# KiCad board Lime_RFE.kicad_pcb (continued)
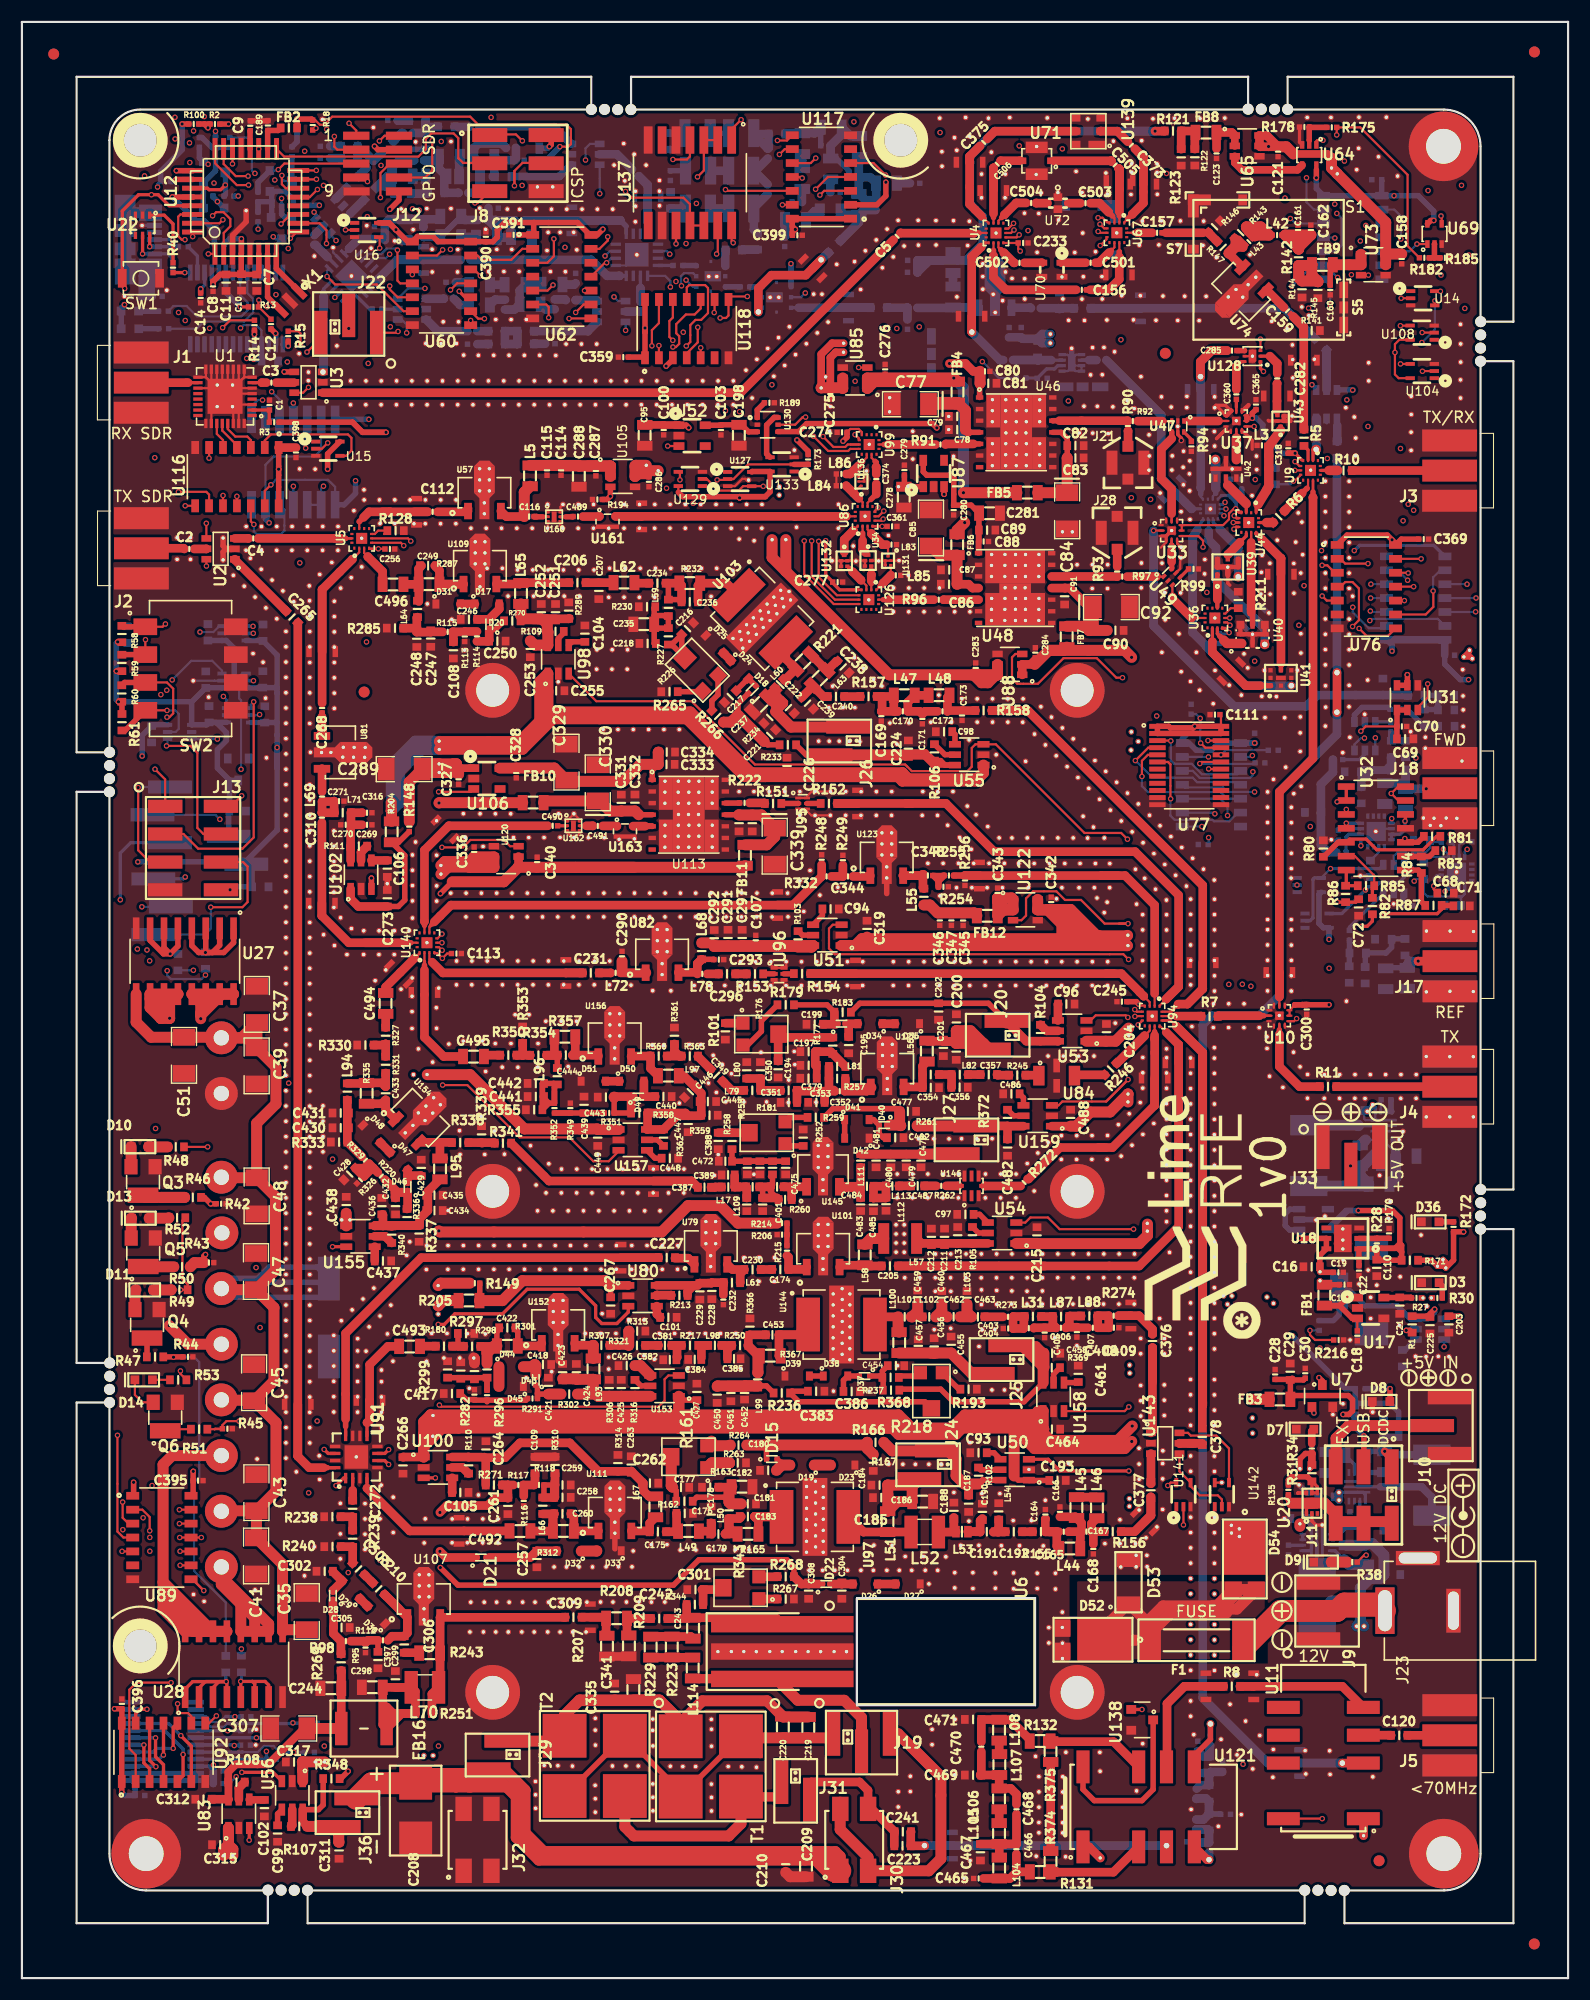
[diagram p0: board, top side]
## Routing (per net, layer and track width the routed paths; a pad name or vN(x,y) marks a point on that pad's centre or on a via; arc(x,y) is an arc through that point) (continued)
Net-(C4-Pad2): length 1.2
  T w0.79: U2.3 C4.2
Net-(C5-Pad1): length 7.9
  T w0.2: 86.9,159.25 86.89,159.25 ; U4.13 87.35,159.25
  T w0.5: 87.35,159.25 86.9,159.25
  T w0.79: 86.88,159.24 86.9,159.25 86.88,159.24 ; 86.88,159.24 80.21,159.24 C5.1
Net-(C5-Pad2): length 57.9
  T w0.79: C5.2 65.58,144.67 U3.1
Net-(C6-Pad1): length 2
  T w0.3: 117.82,138.54 117.82,139.45 117.82,139.46
  T w0.86: TRANS_VIA#4.1 118.1,139.48
  B w0.5: 118.14,140.18 118.14,139.51
  B w0.86: 118.14,139.91 118.14,139.51
Net-(C6-Pad2): length 2.2
  B w0.5: 118.14,141.08 118.14,142.33
  B w0.86: 118.14,141.36 118.14,142.33
Net-(C9-Pad2): length 1.7
  T w0.5: C9.2 20.82,168.57 U12.20
Net-(C12-Pad2): length 1.6
  T w0.5: v1(23.15,150.08) 22.75,150.48 C12.2
  B w0.5: v1(23.15,150.08) 23.16,150.07 U13.2
Net-(C14-Pad1): length 2
  T w0.5: v1(16.31,154.14) C14.1
  B w0.3: v1(16.31,154.14) 16.66,154.5 U13.17
Net-(C17-Pad1): length 1
  B w0.3: C17.1 122.1,42.55 U19.9
Net-(C18-Pad1): length 8
  T w0.2: U17.3 121.86,60.18 C18.1
  T w0.5: 120.23,61.37 120.97,62.1 U17.1 ; 120.23,61.37 FB1.2 120.23,61.37 ; 120.23,61.37 121.4,60.2 U17.3
Net-(C21-Pad2): length 5.1
  T w0.2: C21.2 125.72,62.1 U17.5
  T w0.5: U17.5 126.77,62.1 R27.2 126.76,62.12 C21.2
Net-(C24-Pad1): length 1.3
  B w0.3: C24.1 115.6,39.5 U21.9
Net-(C26-Pad2): length 17.4
  B w0.3: U21.6 119.48,39.5 R32.2 ; 122.55,39.5 R36.2
  B w1: C26.2 124.28,38.6 123.23,39.65 R36.2 122.55,39.5 R32.2 ; C26.2 123.94,36.47 ; C26.2 123.94,36.47 ; 123.94,36.47 123.02,36.47 122.14,35.6 R37.2 119.52,34.42 118.2,33.1 L2.1
Net-(C31-Pad1): length 21.4
  B w0.5: 12,155.96 11.79,156.17 ; 11.95,155.96 CON1.6 ; CON1.6 10.88,155.33 C31.1 ; CON1.6 11.89,156.02 R41.1
  B w0.7: CON1.6 11.32,155.77 11.32,154.03 R41.1 10.89,153.46 C31.1
  B w1: 11.79,161.1 9.94,161.1 9.49,161.55 9.49,155.73 9.94,156.17 11.79,156.17
Net-(C52-Pad1): length 5.8
  B w0.5: R67.1 125.02,94.83 R70.1 124.99,94.05 124.49,93.55 R73.2 122.58,93.48 C52.1
Net-(C53-Pad1): length 5.2
  B w0.5: 127.96,115.78 128.01,115.73 ; 129.21,117.04 R71.1 129.19,117.06 R68.2 127.98,117.05 R74.2 129.18,115.76 C53.1 129.21,117.04
Net-(C54-Pad1): length 7.7
  B w0.7: 123.23,110.24 122.22,109.23 C54.1 122.22,110.08 R72.1 122.36,110.24 123.23,110.24 ; 123.23,110.24 R69.1
  B w0.79: R75.2 124.95,111.39 R69.1 124.71,110.47 ; C54.1 122.22,108.8
Net-(C55-Pad1): length 2.4
  B w0.5: C58.1 121.15,94.7 R73.1 121.13,93.53 C55.1
Net-(C56-Pad1): length 4.1
  B w0.5: C56.1 129.21,114.26 R74.1 127.92,114.26 126.4,115.78 C59.1
Net-(C57-Pad1): length 2.1
  B w0.5: C57.1 R75.1 124.92,112.96 C60.1
Net-(C58-Pad2): length 4.7
  B w0.3: C58.2 121.14,95.9 U30.3
Net-(C59-Pad2): length 4.2
  B w0.5: C59.2 124.68,115.96 122.29,115.96 121.6,115.27 U29.1
Net-(C60-Pad2): length 1.4
  B w0.3: C60.2 124.89,114.63 U29.3
Net-(C61-Pad1): length 2.6
  B w0.3: U29.5 122.55,111.69 122.05,111.2 C61.1
Net-(C61-Pad2): length 9.9
  B w0.79: C63.1 119.21,102.74 118.53,103.42 118.53,108.93 119.64,110.04 C61.2
Net-(C62-Pad1): length 1.9
  B w0.2: U30.5 125.19,102.4 125.53,102.74 C62.1
Net-(C62-Pad2): length 3.5
  B w0.2: 129.49,103.63 C65.1 128.64,103.67 R77.1 128.49,103.12 128.12,102.74 C62.2
Net-(C63-Pad2): length 2.8
  B w0.3: IC1.2 121.1,104.39 120.83,104.12 C63.2
Net-(C64-Pad2): length 2.1
  B w0.3: IC1.3 122.18,104.89 120.09,104.89
Net-(C65-Pad2): length 1.5
  B w0.2: C65.2 130.66,103.43 IC2.2
Net-(C66-Pad2): length 1.5
  B w0.2: C66.2 131.16,103.43 IC2.3
Net-(C67-Pad2): length 1.6
  B w0.2: C67.2 123.83,102.75 IC1.14
Net-(C68-Pad2): length 2.5
  T w0.2: 129.04,99.14 C68.2 128.84,99.35 v1(128.84,99.65)
  B w0.2: v1(128.84,99.65) 128.84,100.38 129.12,100.66 IC2.14
Net-(C73-Pad2): length 1.4
  B w0.3: 97.38,147.65 U45.2
  B w0.79: C73.2 97.38,147.65
Net-(C76-Pad1): length 4.8
  B w0.3: U45.7 93.93,147.65 ; 92.74,147.65 92.69,147.7 92.74,147.65
  B w0.79: 92.69,147.7 92.65,147.66 C76.1 ; 92.69,147.7 92.74,147.65 ; 92.69,147.7 92.74,147.65 ; 92.69,147.7 92.74,147.65 ; 92.74,147.65 93.93,147.65
Net-(C77-Pad1): length 11.7
  T w0.5: C78.1 86.35,141.06 U46.4
  T w0.79: 86.35,141.06 C78.1 C79.1
  T w1: 86.1,143.05 FB4.1 ; 86.1,143.05 C79.1 ; 86.1,143.05 C78.1 ; FB4.1 82.89,143.79 C77.1 85.2,143.63 FB4.1
Net-(C82-Pad1): length 9.2
  T w0.5: U46.11 94.84,141.06 95.39,140.5 C82.1 95.39,138.72 C83.1
  T w1: 95.39,138.72 C83.1 95.39,135.55 C84.1 FB5.1
Net-(C85-Pad1): length 8.8
  T w0.79: C87.1 85.36,128.49 C86.1 86.39,127.2 86.74,126.85 U48.4
  T w1: C86.1 85.34,127.22 FB6.1 83.79,129.85 C85.1
Net-(C90-Pad1): length 18.3
  T w0.6: 95.2,126.85 95.2,126.85
  T w0.79: 95.2,126.85 95.2,126.85 U48.11 ; C91.1 95.63,126.85 97.37,125.11 97.37,122.93
  T w1: 97.39,122.98 97.31,123.07 97.37,123.12 ; 97.39,122.98 97.77,123.36 C92.1 97.37,124.71 97.37,123.12 ; 97.39,122.98 C90.1 ; 97.37,123.12 97.13,123.36 FB7.1 ; 97.37,123.12 97.37,125.05 ; 97.37,124.77 97.37,123.21
Net-(C93-Pad1): length 1.5
  T w0.5: U50.4 88.7,47.94 C93.1
Net-(C94-Pad1): length 1.8
  T w0.5: C94.1 73.05,96.97 U51.4
Net-(C96-Pad1): length 1.5
  T w0.79: C96.1 94.55,88.87 U53.4
Net-(C97-Pad1): length 1.6
  T w0.5: U54.4 87.4,69.69 C97.1
Net-(C98-Pad1): length 1.3
  T w0.5: C98.1 85.15,113.5 U55.4
Net-(C99-Pad1): length 1.6
  T w0.5: U56.4 23.33,14.98 C99.1
Net-(C101-Pad1): length 1.2
  T w0.79: U80.4 57.94,60.6 C101.1
Net-(C102-Pad1): length 1.4
  T w0.7: U83.4 20.79,16.26 C102.1
Net-(C103-Pad1): length 5
  T w0.5: U130.3 66.31,141.1 65.67,141.74 63.82,141.74 63.78,141.71 U52.5
Net-(C104-Pad1): length 1.7
  T w0.5: U98.4 50.2,121.94 51.5,121.94
Net-(C105-Pad1): length 1.3
  T w0.79: C105.1 39.26,44.32 U100.4
Net-(C106-Pad1): length 1.4
  T w0.79: U102.4 C106.1
Net-(C107-Pad1): length 23.4
  T w0.79: 62.85,94.47 63,94.31 65.73,94.31 65.78,94.26 C107.1 ; 70.82,94.08 72.06,94.08
  T w1: 70.82,94.08 72.06,94.08 U51.6 ; 63.26,94.22 C292.1 72.12,94.14 U51.6 ; U51.6 65.69,94.22 ; L68.1 62.85,94.47
Net-(C108-Pad1): length 3.2
  T w0.79: R114.1 40.43,122.89 40.39,122.85 R115.2 39.38,122.85 C108.1
Net-(C109-Pad1): length 3.1
  T w0.79: C109.1 46.82,45.08 R118.2 R117.1 45.8,44.95 R116.2
Net-(C110-Pad1): length 25.9
  T w0.5: R28.2 123.6,66.55 U18.1 122.01,66.53 C22.1 ; R28.2 124.09,66.6 ; R28.2 C110.1 123.69,65.51 R171.2 125.91,66.26 ; 125.74,67.03 125.74,69.37 125.07,70.04 v1(121.96,70.04) ; 125.74,67.03 125.31,66.6 124.09,66.6 ; 125.74,67.03 125.91,66.87 125.91,66.26 ; 124.09,66.6 125.57,66.6 125.91,66.26
  B w0.5: 120.83,70.04 119.17,68.39 U112.5 119.23,68.27 121.01,70.04 v1(121.96,70.04) 120.83,70.04
Net-(C112-Pad2): length 2.8
  T w0.79: U57.1 40.64,133.81 C112.2 ; 40.7,134.11 40.71,134.1
Net-(C114-Pad1): length 17.3
  T w0.5: L5.1 46.39,138.03 48.34,138.03 ; C114.1 49.24,137.99
  T w1: 48.34,138.03 48.33,138.04 L5.1 ; U105.1 53.68,138 51.7,138 ; U105.1 50.85,137.98 C288.1 ; U105.1 U105.2 ; C288.1 50.79,138.04 C115.1 C114.1 49.24,137.99 C288.1 ; C288.1 52.37,137.99 C287.1
Net-(C116-Pad1): length 5.3
  T w0.79: U57.3 44.21,133.37 C116.1
  T w1: L5.2 45.84,135.6 C116.1
Net-(C117-Pad2): length 4.8
  B w0.79: TRANS_VIA#8.1 27.53,146.62 C117.2
Net-(C118-Pad1): length 11.2
  B w0.3: 32.52,155.04 U58.9
  B w0.79: 32.52,155.04 32.52,155.06 34.26,156.8 34.29,156.8 ; 34.29,156.8 C118.1 ; 34.29,156.8 36.65,156.8 P79.2
Net-(C118-Pad2): length 14.8
  B w0.3: U59.4 54.54,155.34
  B w0.79: 54.54,155.34 54.54,155.35 53.39,155.35 51.93,156.8 C118.2
Net-(C119-Pad1): length 1.2
  B w0.5: U61.6 61.5,156.29 C119.1
Net-(C119-Pad2): length 1.4
  B w0.3: C119.2 59.42,156.29 U59.16
Net-(C120-Pad1): length 6.3
  T w0.79: J5.1 130.23,22.22 J5.1 ; J5.1 C120.1 ; 130.93,22.33 128.64,22.33
Net-(C120-Pad2): length 2.5
  T w0.79: C120.2 124.93,22.16 U11.4
Net-(C122-Pad1): length 1.8
  B w0.79: C122.1 92.03,152.44 U66.1
Net-(C122-Pad2): length 3.1
  B w0.79: R119.1 94.74,152.38 R120.2 94.61,152.39 C122.2
Net-(C123-Pad1): length 4.2
  T w0.5: 110.66,168.13 U65.1
  T w0.7: U65.1 U65.2
  T w0.79: U65.1 110.4,168.42 FB8.2 109.02,168.42 C123.1
Net-(C124-Pad2): length 42
  T w0.79: v1(103.41,168.54) 104.28,168.54 R121.1
  B w0.79: 99.89,168.54 103.41,168.54 ; 103.41,168.54 v1(103.41,168.54) ; 103.41,168.54 v1(103.41,168.54) ; 103.41,168.54 v1(103.41,168.54) ; v1(103.41,168.54) 88.78,168.54 86.52,166.29 86.52,161.88 87.68,160.73 87.68,158.26 86.17,156.75 85.38,156.75 ; 85.38,156.75 84.97,157.16 L6.1 ; 85.38,156.75 83.95,156.75 ; 83.95,156.75 C124.2 81.73,155.67 C125.2 81.73,155.68 82.8,156.75 83.95,156.75
Net-(C126-Pad1): length 2.9
  B w0.79: R124.2 80.81,152.41 C126.1 80.8,152.43 R125.2
Net-(C126-Pad2): length 5.7
  B w0.79: 87.28,152.42 U66.3 ; U66.3 87.29,152.44 ; U66.3 87.28,152.45 L7.2 ; 84.94,152.43 L7.2 ; L7.2 84.93,152.42 C126.2
Net-(C127-Pad1): length 1.5
  B w0.79: L9.2 69.64,158.93 C127.1
Net-(C128-Pad1): length 8.5
  B w0.79: C130.2 76.38,166.14 L12.2 ; C130.2 77.42,164.34 L11.1 77.95,162.29 C128.1 76.95,162.24 L10.1 76.38,164.33 C130.2
Net-(C128-Pad2): length 6.6
  B w0.79: C128.2 76.82,161.34 L10.2 ; L10.2 75.06,160.91 L8.1 ; L10.2 76.38,160.23 R126.1
Net-(C129-Pad1): length 1.2
  B w0.79: C129.1 79.87,163.79 L11.2
Net-(C130-Pad1): length 8
  B w0.5: C130.1 75.48,164.9 74.34,166.04 L13.1
  B w0.79: L12.1 75.62,168.09 L14.2 74.81,168.23 C132.2 73.8,166.05 L13.1
Net-(C131-Pad1): length 1.2
  B w0.79: C131.1 73.77,164.11 L13.2
Net-(C132-Pad1): length 5.2
  B w0.5: L14.1 72.9,168.9 C132.1
  B w0.79: L14.1 72.35,168.35 L15.1 69.73,168.35 C134.2
Net-(C133-Pad1): length 1.2
  B w0.79: C133.1 71.18,163.24 L16.2
Net-(C134-Pad1): length 4.7
  B w0.79: 66.79,168.23 L18.1 66.87,168.28 C134.1 68.15,167.04 C136.2 66.79,168.23
Net-(C135-Pad1): length 1.3
  B w0.5: L19.2 60.51,168.37 C135.1
Net-(C136-Pad1): length 3.5
  B w0.79: C138.2 66.8,164.93 L21.1 66.95,164.93 C136.1
Net-(C137-Pad1): length 1.4
  B w0.5: C137.1 59.18,164.93 L22.2
Net-(C138-Pad1): length 4.2
  B w0.79: C140.2 66.79,159.56 L24.1 66.79,161.53 C138.1
Net-(C139-Pad1): length 1.3
  B w0.79: C139.1 59.21,161.48 L25.2
Net-(C140-Pad1): length 1.4
  B w0.79: C140.1 65.76,157.73 R127.2
Net-(C141-Pad1): length 2.6
  B w0.3: 26.78,158.16 C141.1 ; U58.2 27.89,157.06
  B w0.79: C141.1 26.78,158.16 27.89,157.06
Net-(C141-Pad2): length 1.1
  B w0.79: U38.5 27.47,159.84 C141.2
Net-(C142-Pad1): length 1.6
  B w0.3: C142.1 31.71,152.31 U58.12
Net-(C142-Pad2): length 1.4
  B w0.3: U93.5 32.87,152.3 C142.2
Net-(C143-Pad1): length 3.5
  B w0.79: C143.1 54.3,166.43 U134.5
Net-(C143-Pad2): length 10.8
  B w0.3: 57.1,160.37 57.1,159.2 U59.12
  B w0.79: 57.1,162.03 57.1,160.37 ; 57.1,163.63 C143.2 57.1,163.63 ; 57.1,163.63 57.1,160.27 57.1,162.54 P90.2
Net-(C144-Pad1): length 1.4
  B w0.79: C144.1 56.44,152.08 U135.5
Net-(C144-Pad2): length 2.4
  B w0.3: U59.2 56.44,154.22
  B w0.79: C144.2 56.44,154.22
Net-(C145-Pad2): length 1
  B w0.79: L115.2 C145.2
Net-(C146-Pad1): length 1.3
  B w0.79: C146.1 40.8,168.94 L20.2
Net-(C147-Pad1): length 1
  B w0.79: L23.2 34.31,169.51 C147.1
Net-(C148-Pad1): length 1.5
  B w0.79: L32.2 47.78,152.29 C148.1
Net-(C148-Pad2): length 1
  B w0.79: C497.2 49.57,153.19 C148.2
Net-(C149-Pad1): length 1.3
  B w0.79: L34.2 40.57,154.76 C149.1
Net-(C150-Pad1): length 1.3
  B w0.79: C150.1 50.41,154.55 L35.2
Net-(C151-Pad1): length 1.6
  B w0.79: L36.2 43.18,153.17 C151.1
Net-(C151-Pad2): length 5
  B w0.79: L35.1 47.4,154.53 L33.1 45.42,154 L32.1 44.95,152.27 C151.2
Net-(C152-Pad1): length 8.5
  B w0.79: C153.2 43.34,159.63 L38.2 44.61,158.84 L37.1 44.63,160.06 C499.2 43.24,160.41 43.21,160.44 C153.2 ; C153.2 42.55,160.45 ; C153.2 42.57,160.48 C152.1
Net-(C153-Pad1): length 8.6
  B w0.5: 40.09,160.78 38.2,158.89 L39.1 38.22,158.89 L40.2
  B w0.79: 40.09,160.78 40.43,160.44 C153.1 ; C154.2 36.64,158.89 L39.1
Net-(C154-Pad1): length 8.4
  B w0.5: 33.52,160.5 33.07,160.06 C155.1
  B w0.79: 38.18,160.78 37.91,160.5 36.63,160.5 ; 36.63,160.5 36.63,159.79 C154.1 ; 36.63,160.5 L41.1 33.52,160.5 33.12,160.11 33.12,158.62
Net-(C156-Pad1): length 14
  T w0.2: 99.19,154.07 100.15,155.02 100.15,158.32
  T w0.5: 99.19,154.07 100.15,155.02 100.15,157.53 ; 97.1,154.07 97.49,154.07
  T w0.79: 100.15,157.05 100.14,157.05 100.14,155.02 99.19,154.07 97.49,154.07
Net-(C157-Pad1): length 2.3
  T w0.2: 100.87,159.27 101.49,159.27
  T w0.5: 101.81,159.27 101.49,159.27
  T w0.79: 101.81,159.27 C157.1
Net-(C159-Pad1): length 2.3
  T w0.79: U74.1 113.61,154.02 C159.1
Net-(C160-Pad1): length 5.5
  T w0.5: FB9.2 119.39,156.11 C160.1
  T w1: 119.64,156.34 FB9.2 ; FB9.2 119.64,156.34 ; FB9.2 U73.2 U73.1
Net-(C161-Pad2): length 8.7
  T w0.5: C161.2 116.44,159.06 L42.1
  T w1: C161.2 116.44,159.06 115.29,159.06 116.51,157.84 R142.1 ; C161.2 116.51,159.02 R142.1 ; C161.2 C162.2 116.51,157.95 R142.1
Net-(C164-Pad1): length 5.5
  T w0.79: L44.2 94.44,39.43 94.44,40.74 94.43,40.72 ; 94.43,40.72 93.75,40.72 R155.1 C165.2 ; 94.43,40.72 93.39,40.72 93.39,41.88 93.42,41.91
Net-(C165-Pad1): length 5.8
  T w0.79: C167.2 96.58,40.63 L44.1 ; C167.2 96.69,40.74 ; C167.2 96.69,40.74 ; C167.2 96.7,41.53 L45.2 96.13,42.1 C166.1 ; 96.69,40.74 95.53,40.74 C165.1
Net-(C167-Pad1): length 3.8
  T w0.79: L46.1 97.6,41.47 C167.1 ; C167.1 97.77,40.56 C168.1 ; C167.1 R156.2
Net-(C169-Pad1): length 6.3
  T w0.79: 78.5,116.96 79.46,116.96 L47.2 79.57,115.6 C170.2 78.43,115.6 C169.1 78.5,115.68 78.5,116.96 ; 78.5,116.96 R157.1
Net-(C170-Pad1): length 5.9
  T w0.79: L48.2 L47.1 80.84,116.43 C170.1 81.92,115.6 C171.1 82.42,115.6 C172.2
Net-(C172-Pad1): length 4.1
  T w0.79: L48.1 84.46,116.88 C172.1 84.53,115.67 C173.1 87,115.67 R158.2
Net-(C174-Pad1): length 3.1
  T w0.79: U101.1 71.41,64.67 C174.1 69.96,65.79 R215.1
Net-(C175-Pad1): length 2.7
  T w0.79: 59.74,40.82 59.74,42.4 C176.1 ; L49.2 59.83,40.73 C175.1
Net-(C177-Pad2): length 7.1
  T w0.5: R162.2 59.71,44.47 C177.2 59.39,47.6
  T w1: C177.2 59.25,44.92 R161.2
Net-(C178-Pad1): length 2.3
  T w0.79: 62.94,40.52 62.94,41.5 C178.1 ; 62.96,40.53 62.71,40.78 L49.1
Net-(C179-Pad1): length 6.8
  T w0.79: L50.2 65.47,41.94 65.65,42.12 ; L50.2 64.53,40.89 ; L50.2 64.53,40.89 ; L50.2 64.53,41.12 65.12,40.53 R165.2 65.3,40.53 64.16,40.53 64.53,40.89 ; L50.2 64.51,41.92
Net-(C180-Pad1): length 2.1
  T w0.5: 69.34,46.81 69.34,46.93 D15.2
  T w1: D19.2 69.34,46.81 C180.1
Net-(C181-Pad1): length 7.6
  T w0.5: L50.1 64.08,43.88 61.58,43.88 R162.1
  T w0.79: C182.2 64.73,44.8 R163.2
  T w1: 64.78,44.85 C182.2 64.53,44.59 L50.1 64.68,43.28 65.64,43.28
Net-(C183-Pad1): length 6.7
  T w0.79: R165.1 67.21,41.76 66.85,42.12 ; 66.85,42.12 66.88,42.09 U97.1 69.29,42.12 66.85,42.12
Net-(C184-Pad1): length 15
  T w0.2: 67.95,47.38 67.95,48.64
  T w0.5: 67.95,48.64 67.95,47.38 D15.1
  T w1: C184.1 77.15,48.33 R166.1 76.9,48.64 R264.2
Net-(C185-Pad2): length 10.5
  T w1: 79,45 R167.1 ; R167.1 79.02,43.85 79.02,43.84 79.02,42.63 L51.1 79.88,43.49 C186.1 81.24,44.92 J24.1 81.31,44.99 R167.1
Net-(C187-Pad1): length 16.2
  T w0.5: 87.65,45.44 R102.1 87.65,45.44 ; 87.65,45.44 U50.6 ; 87.65,45.44 88.9,45.44
  T w0.79: 86,45.09 86.4,44.69 C187.1
  T w1: R102.1 86,45.09 85.25,45.84 85.25,47.39 84.53,48.11 J24.2 79.43,48.11 R166.2
Net-(C188-Pad1): length 3
  T w0.79: L52.1 85.2,40.7 L53.2 85.05,40.93 85.05,42.04
Net-(C189-Pad2): length 3
  T w0.5: FB2.1 23.38,168.6 C189.2 22.42,168.58 U12.18
Net-(C190-Pad1): length 3.4
  T w0.79: 87.65,41.94 87.45,41.74 87.45,40.71 87.41,40.74 L53.1 87.3,40.74 C191.1
Net-(C191-Pad2): length 3.6
  T w0.79: 88.65,40.71 88.65,40.71 89.05,40.71 ; 89.05,40.71 89.05,40.94 89.05,40.8 89.14,40.71 L54.1 ; 89.05,40.71 89.68,40.71 ; C191.2 C192.2
Net-(C194-Pad2): length 7.5
  T w0.79: R177.1 69.35,85.84 R176.2 69.01,86.11 C194.2
Net-(C195-Pad1): length 2.3
  T w0.79: C195.1 75.45,86.92 D16.2 D34.2
Net-(C196-Pad1): length 5.7
  T w0.7: C196.1 72.53,83.28 C379.1
  T w0.79: L81.1 R177.2 73.8,84.54 72.4,84.54 72.4,83.29
Net-(C199-Pad1): length 6.3
  T w0.5: R183.1 73.47,88.81 R179.1
  T w0.79: R183.1 74.15,87.27 D16.1 74.27,87.04 C199.1
Net-(C200-Pad2): length 18.8
  T w0.79: 84.11,85.47 87.55,85.47 J20.1 ; 84.11,85.47 85.27,85.47 ; 84.11,85.47 84.09,85.49 82.65,85.49 L56.1
  T w1: 87.72,85.29 C380.2 85.27,85.29 85.27,86.44 C200.2 ; 87.72,85.29 86.44,85.29 C200.2 ; 87.72,85.29 J20.1 ; 87.72,85.29 J20.1 ; J20.1 86.56,86.45 C200.2
Net-(C202-Pad1): length 21
  T w0.5: R183.2 76.46,88.95 C202.1 88.2,88.95 J20.2
  T w0.79: 89.9,87.36 J20.2 ; J20.2 89.85,87.04 ; J20.2 91.66,85.49 R104.1 94.54,85.49 U53.6
Net-(C205-Pad2): length 3.9
  T w0.79: U101.3 74.78,65.05 L58.2 76.99,64.98 C205.2
Net-(C206-Pad1): length 2.5
  T w0.79: L62.2 C207.1 C206.1
Net-(C208-Pad1): length 162.7
  T w1: 40.22,17.75 40.27,17.71 40.19,17.78 C208.1 ; J29.1 40.96,17.45 40.77,17.45 ; J29.1 42.19,18.67 39.56,18.67 ; J29.1 45.11,16.57 ; J29.1 43.1,18.59 42.29,17.78 C208.1 ; J29.1 43.97,19.08 ; J29.1 41.24,19.08 39.6,17.45 ; 39.6,17.45 39.56,17.49 39.56,18.67 ; 39.6,17.45 39.26,17.78 C208.1 ; 39.6,17.45 36.27,17.45 C208.1 ; 39.6,17.45 40.77,17.45 ; C208.1 36.82,18.67 39.56,18.67 ; C208.1 36.36,17.78 ; C208.1 36.86,17.78 ; C208.1 36.96,17.78 ; C208.1 36.8,17.78 ; 45.11,16.57 44.24,17.45 40.77,17.45 ; 45.11,16.57 45.11,12.82 47.17,10.77 74.3,10.77 74.67,10.4 ; 43.97,19.08 45.91,17.14 ; 43.97,19.08 45.91,17.14 ; 45.91,17.14 45.91,13.25 47.62,11.54 ; 47.62,11.54 73.53,11.54 74.67,10.4 ; 47.62,11.54 74.22,11.54 74.67,11.09 74.67,10.4 ; C209.2 69.71,11.16 C210.2 ; 39.56,18.67 41.88,18.67
  T w2: J36.1 31.93,17.78 C208.1 ; 73.1,10.77 74.08,9.79 J30.1
Net-(C211-Pad2): length 6.7
  T w0.79: L57.1 82.1,67.04 C213.1 R105.1 U54.6
Net-(C214-Pad1): length 1.6
  B w0.5: U110.4 126.24,57.32 C214.1
Net-(C216-Pad2): length 5.6
  T w0.5: 59.3,121.69 R226.2 60.22,120.77 C216.2 59.3,121.69 ; 59.3,121.69 R227.1
Net-(C217-Pad1): length 2.6
  T w0.5: D18.2 66.96,117.93 D24.2 65.18,117.5 C217.1
Net-(C218-Pad1): length 7.6
  T w0.5: C235.1 58.05,123.19 R227.2 L59.1 ; C235.1 57.7,121.79 57.7,121.79 ; C235.1 57.7,124.34 ; R230.2 57.7,125.04 57.7,124.34 ; 57.7,124.34 58.95,124.34 L59.1 ; L59.1 58.65,124.29
Net-(C219-Pad1): length 46.3
  T w0.3: 60.12,17.02 T2.1
  T w0.5: T1.1 67.37,20.31 ; T1.1 66.38,22.07 ; T1.1 T1.3 60.12,17.02 T2.1 T2.3
  T w0.79: 60.71,15.62 60.71,17.21
  T w1: 69.47,21.92 C219.1 ; C219.1 73.71,21.92 J19.1 ; C219.1 65.76,21.92 T1.1 65.72,21.96
Net-(C219-Pad2): length 49.9
  T w0.5: 49.42,22.21 T2.2 49.52,23.15
  T w1: 60.12,23.32 62.1,25.3 67.99,25.3 C220.2 69.47,23.83 C219.2 ; 58.22,25.32 60.12,23.43 58.16,25.38 C341.2 ; 58.22,25.32 50.85,25.32 49.52,23.99 ; 58.22,25.32 57.5,25.32 57.44,25.38 C335.2 50.91,25.38 49.52,23.99 ; 49.52,23.99 T2.2 ; 49.52,23.99 T2.2 ; T2.2 49.03,21.62 J29.2
Net-(C221-Pad1): length 12.3
  T w0.5: D18.1 65.35,116.29 65.35,115.24 68.05,112.54 R233.1
  T w1: R266.2 64.72,114.61 65.35,115.24 67.72,112.87 C221.1
Net-(C222-Pad2): length 14.8
  T w0.79: C237.2 68.76,117.66 L60.1 68.81,117.08 69.52,116.37 69.52,116.32 R234.2 ; C237.2 68.78,116.16 R234.2 ; C237.2 68.02,116.91 ; R234.2 70.19,114.16 ; R234.2 68.97,115.57
  T w1: R234.2 70.19,114.16 J26.1
Net-(C223-Pad2): length 17
  T w0.79: 71.76,14.9 71.76,17.61 72.04,17.89 76.44,17.89 77.21,17.12 77.21,16.05 ; 77.21,15.11 77.21,16.05 ; 77.21,16.05 77.21,15.15 77.21,16.05 ; C223.2 79.61,13.32 C241.2 77.56,15.44 J30.3
Net-(C224-Pad1): length 20.3
  T w0.5: R233.2 71.57,111.62 J26.2 ; 83.12,110.69 82.37,111.44 C224.1 80.72,111.62 80.98,111.89 82.49,111.89 R106.1 83.83,111.1 84.24,110.69 U55.6 83.12,110.69
  T w1: J26.2 80.72,111.62
Net-(C227-Pad1): length 2
  T w0.79: U79.1 60.81,65.69 59.6,65.69
Net-(C228-Pad1): length 8.5
  T w0.79: 61.31,63.21 60.75,62.66 R213.1 ; 61.31,63.21 61.66,63.21 C229.1 62.92,63.42 C228.1 62.96,63.46 L61.1 64.01,63.42 C232.1 ; 61.31,63.21 U80.6
Net-(C230-Pad2): length 3.1
  T w0.79: U79.3 64.84,64.66 C230.2 65.55,64.28 L61.2
Net-(C231-Pad1): length 2.1
  T w0.5: C231.1 52.67,91.73 L72.2
  T w0.79: L72.2 53.73,91.73 C231.1
Net-(C234-Pad1): length 5.9
  T w0.5: C236.2 60,125.79 L59.2 59,127.04 C234.1
  T w0.79: C236.2 60.2,127.09 R232.2 C234.1
Net-(C234-Pad2): length 1.4
  T w0.79: L62.1 55.95,127.29 C234.2
Net-(C236-Pad1): length 6.8
  T w0.79: 64.85,126.74 U103.1 ; U103.1 64.3,127.29 R232.1 61.7,127.09 C236.1 ; U103.1 65.09,126.2
Net-(C238-Pad1): length 3.4
  T w0.79: C238.1 74.33,120.17 L63.2 R221.1
Net-(C239-Pad1): length 3.3
  T w0.79: C239.1 72.12,117.83 L63.1 73.14,116.95 C240.2
Net-(C242-Pad1): length 12
  T w0.79: 60.84,32.88 60.77,32.81 C242.1 ; 60.84,32.88 60.66,33.06 R344.2 ; 60.84,32.88 68.8,32.88 U6.1
Net-(C242-Pad2): length 3.9
  T w0.79: C242.2 57.39,32.83 R208.1 55.22,31.52 55.48,31.25
Net-(C243-Pad1): length 5.9
  T w0.79: 57.4,31.17 61.05,31.17 C243.1 ; 57.4,31.17 R229.1 57.4,31.17 ; 57.4,31.17 R223.1
Net-(C244-Pad1): length 23
  T w0.7: C307.1 25.74,22.78 22.47,19.5 19.52,19.5 18.83,18.81 R108.1 18.85,17.87 U83.6
  T w0.79: 29.12,28.02 29.14,27.99 FB16.1 29.17,22.75 ; U83.6 18.82,16.32 C312.1 ; R269.1 29.14,28.06 C244.1
  T w1: 29.12,22.75 FB16.1 29.14,22.78 C307.1
Net-(C246-Pad1): length 2.9
  T w0.79: D17.2 43.56,124.93 D20.2 42.62,123.99 C246.1
Net-(C247-Pad1): length 5
  T w0.79: R115.1 37.31,122.85 37.29,122.82 36.04,122.82 36.04,123.19 ; L64.1 36.04,124.13 36.04,123.19 ; 36.04,123.19 R285.2
Net-(C249-Pad1): length 6.3
  T w0.79: 37.67,128.88 38.1,128.45 R287.1 ; R287.1 38.12,127.21 U109.1 40.28,127.19 R287.1
Net-(C249-Pad2): length 4.8
  T w0.79: 36.47,128.88 36.2,128.61 R287.2 ; R287.2 36.19,127.19 C496.2 ; R287.2 36.22,127.17 36.22,125.63
Net-(C250-Pad1): length 3.8
  T w0.5: R270.2 43.21,123.07 D20.1
  T w0.79: R114.2 42.54,121.99 42.65,122.09 D20.1
Net-(C251-Pad2): length 15
  T w0.7: C252.2 47.95,123.34 R109.1
  T w0.79: 45.5,125.37 L65.1 45.53,124.34 ; 47.35,123.99 47.4,124.04 ; 47.4,124.04 R289.1 49.95,124.09 ; 47.4,124.04 47.3,123.94 ; 47.4,124.04 48.7,124.04 ; 46.65,123.94 47.9,123.94
  T w1: 47.95,123.89 47.9,123.94 47.95,123.89 ; 47.95,123.89 R109.1 ; 48,122.84 R109.1 ; 48,122.84 R109.1 ; 48,122.84 U98.6 46.8,121.64 C253.1 ; L65.1 45.53,124.34 45.83,124.04 47.4,124.04
Net-(C254-Pad1): length 1
  B w0.5: L26.2 36.81,166.88 C254.1
Net-(C257-Pad1): length 8.8
  T w0.5: 46.39,38.39 C257.1 ; 48.79,38.99 D32.2 48.8,38.98 47.66,38.98 ; D21.2 42.66,38.39
  T w0.79: 48.79,38.99 D32.2 48.79,38.99 ; 48.79,38.99 C257.1 46.39,38.39 42.66,38.39
Net-(C258-Pad1): length 7.7
  T w0.5: 48.61,43.87 48.6,43.86 L66.1 47.64,43.96 R118.1 48.63,45
  T w0.79: 48.61,43.87 48.63,43.89 48.63,45 48.65,45.01 R310.1 ; C259.1 C258.1 48.57,43.86 L66.1
Net-(C260-Pad1): length 3.9
  T w0.79: C260.1 50.36,42.09 R312.1 50.38,40.81 U111.1
Net-(C260-Pad2): length 6.1
  T w0.79: C492.2 46.41,40.79 R312.2 ; R312.2 48.46,42.12 ; R312.2 48.46,42.25 C260.2 48.57,42.36 L66.2
Net-(C261-Pad1): length 17.3
  T w0.5: v1(38.15,38.94) 38.7,38.39
  T w0.79: 43.82,45 R271.2 44.35,45 ; 44.35,45 44.35,44.74 44.35,45 ; 44.35,45 R117.2 ; 44.35,45 44.35,43.79 ; v1(38.15,38.94) 38.7,38.39 D21.1 ; v1(38.15,42.49) 38.78,43.13 42.51,43.13 43.23,43.84 C261.1
  SIG1 w0.79: v1(38.15,38.94) v1(38.15,42.49)
Net-(C262-Pad2): length 23.8
  T w0.79: 42.2,47.54 42.32,47.41 R271.1 ; U100.6 40.75,47.55 R110.1 41.95,47.54 ; L67.1 57.22,43.96 56.71,44.47 56.71,45.16 55.61,46.27 55.59,46.24 R314.2 52.6,46.24 50,48.84 45.45,48.84 44.1,47.49 C264.1
Net-(C265-Pad2): length 6.7
  T w0.79: C265.2 19.43,129.43 U2.1
Net-(C268-Pad2): length 2.1
  T w0.2: 27.38,115.44 C268.2
  T w0.5: C268.2 27.38,115.44 27.38,115.1 ; U81.1 27.38,113.75
  T w0.79: 27.38,113.75 27.39,113.75 27.38,113.76 27.38,115.1
Net-(C269-Pad2): length 6.4
  T w0.79: C270.2 30.02,105.27 L71.1 31.04,106.35 C316.1 ; C270.2 R111.1 U102.6 ; C270.2 C269.2
Net-(C271-Pad1): length 4.4
  T w0.79: 27.39,106.36 C310.1 27.38,106.35 L71.2 28.49,106.38 C271.1 28.45,107.37 L69.1 27.39,106.36
Net-(C272-Pad1): length 2.3
  T w0.79: R239.1 C272.1 30.16,42.1 R238.2
Net-(C282-Pad2): length 2.7
  T w0.3: U128.2 113.89,148.01
  T w0.79: 113.89,148.01 114.56,147.34 C282.2
Net-(C285-Pad1): length 0.7
  T w0.5: C285.1 111.56,148.52 U128.4
Net-(C290-Pad1): length 4.9
  T w0.79: U82.1 56.91,91.73 L72.1 ; 55.33,91.71 56.87,91.71 56.92,91.77
  T w1: 56.91,91.73 U82.1 ; C290.1 54.76,91.87
Net-(C293-Pad1): length 4.6
  T w0.5: C293.1 63.12,92.97 L68.2
  T w0.79: 61.64,92.57 L68.2 61.64,92.57 ; 61.64,92.57 L78.2 ; 59.9,91.78 61.32,91.78
Net-(C294-Pad2): length 5.3
  B w0.79: 119.06,148.28 119.05,148.28 119.05,146.58 ; 119.05,146.58 119.05,148.55 C294.2 ; 119.05,146.58 U8.5
Net-(C295-Pad1): length 1.2
  B w0.79: C295.1 34.64,168.37 L27.2
Net-(C295-Pad2): length 3.4
  B w0.79: C295.2 36.8,168.37 L26.1 36.82,168.91 ; 36.82,168.91 36.82,169.49 L23.1 ; 36.82,168.91 36.85,168.94 L20.1
Net-(C296-Pad2): length 1.1
  T w0.79: C296.2 63.59,91.64 L78.1
Net-(C298-Pad1): length 18.8
  T w0.79: L70.1 35.91,26.15 R251.2 ; L70.1 35.52,26.52 ; L70.1 35.38,26.38 ; L70.1 35.52,26.52 ; L70.1 C298.1 32.93,23.13 FB16.2 ; 35.52,26.52 C299.1 ; FB16.2 34.65,24.14 R251.2 ; FB16.2 33.28,24.74 33.88,24.14 R251.2
Net-(C301-Pad2): length 3.4
  T w0.79: R343.2 63.84,35.45 62.07,35.45 62.16,35.36 R344.1